# Altium PCB KVision_PCB_V1I1.PcbDoc (part 1 of 2)
Units mm, origin at the board's own origin, x right, y up, seen from the top; angles counter-clockwise.
Board outline 122 x 56 mm, 4 copper layers (Top Layer, VCC, GND, Bottom Layer), stack 1.58 mm thick; 96 components, 137 nets, 699 pads, 420 vias.
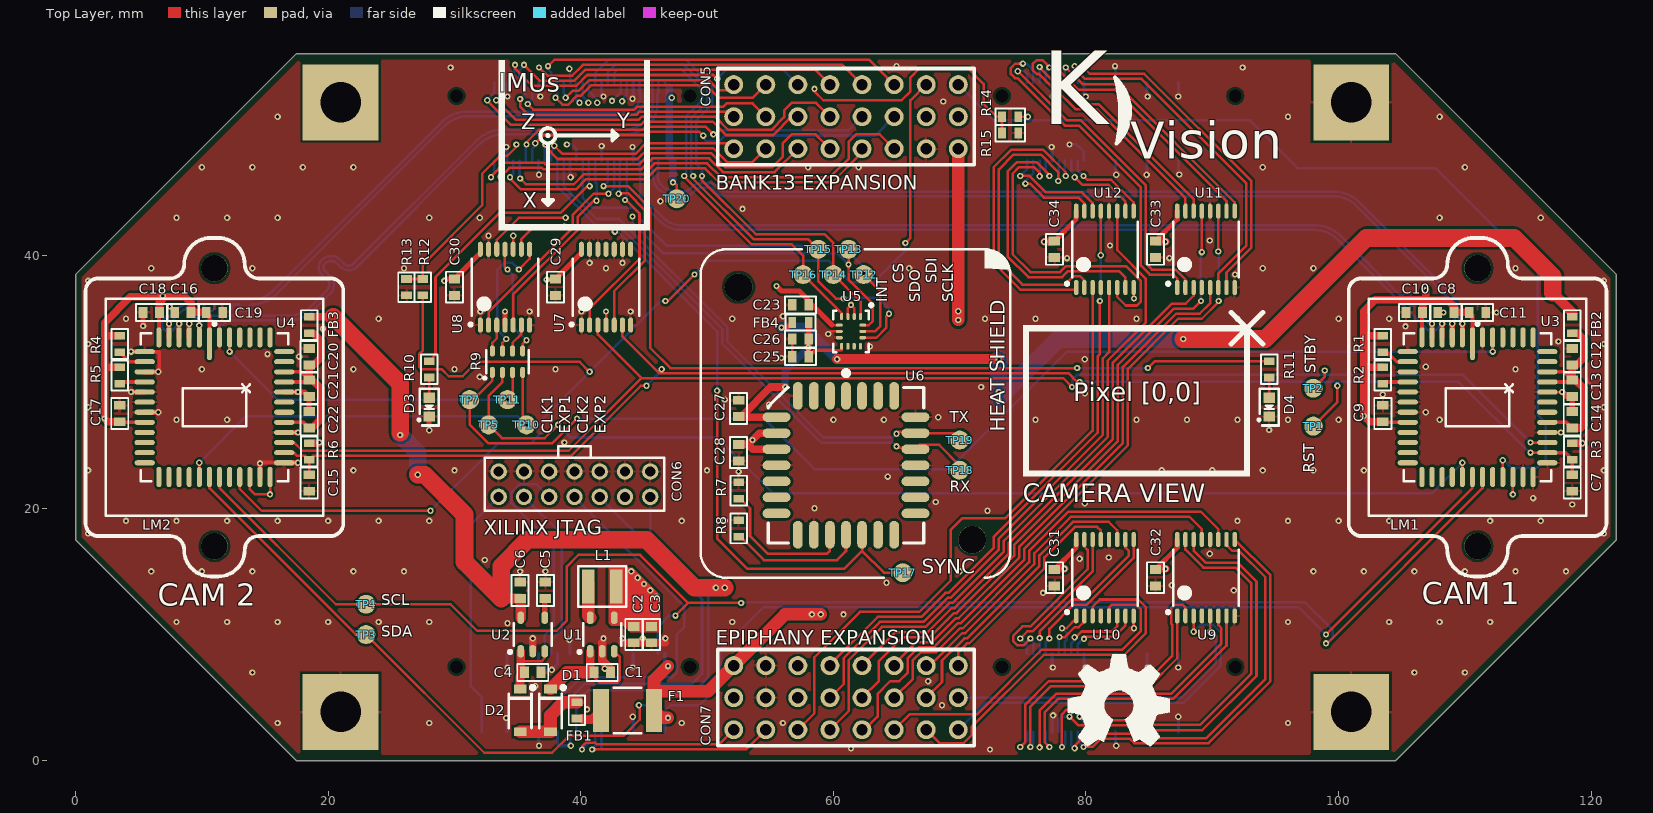
[diagram p0: Top Layer view]
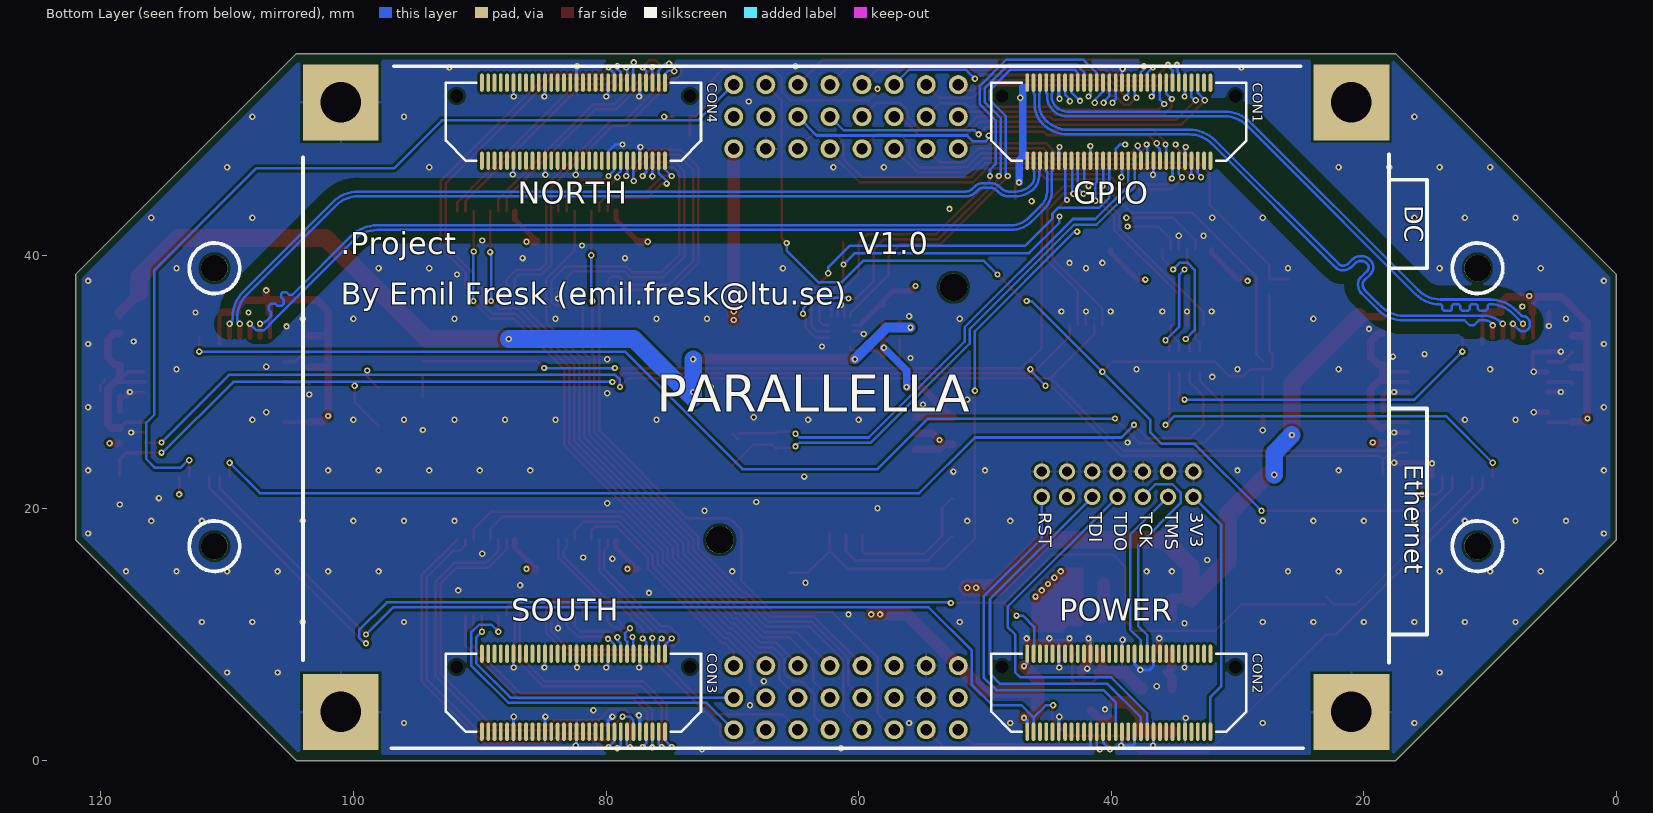
[diagram p1: Bottom Layer view, seen from below]
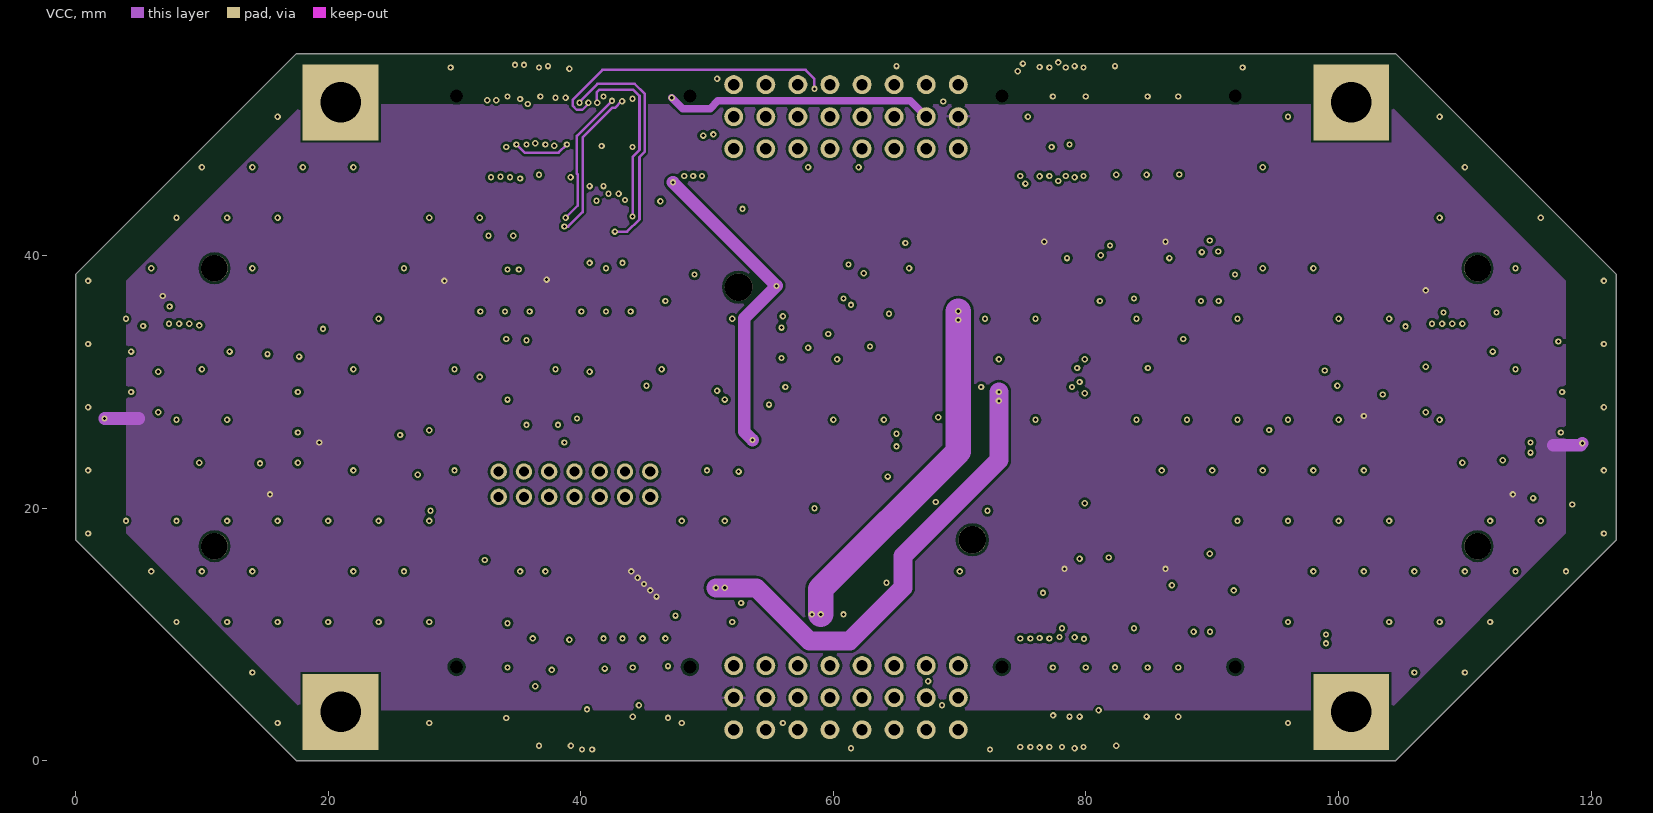
[diagram p2: VCC]
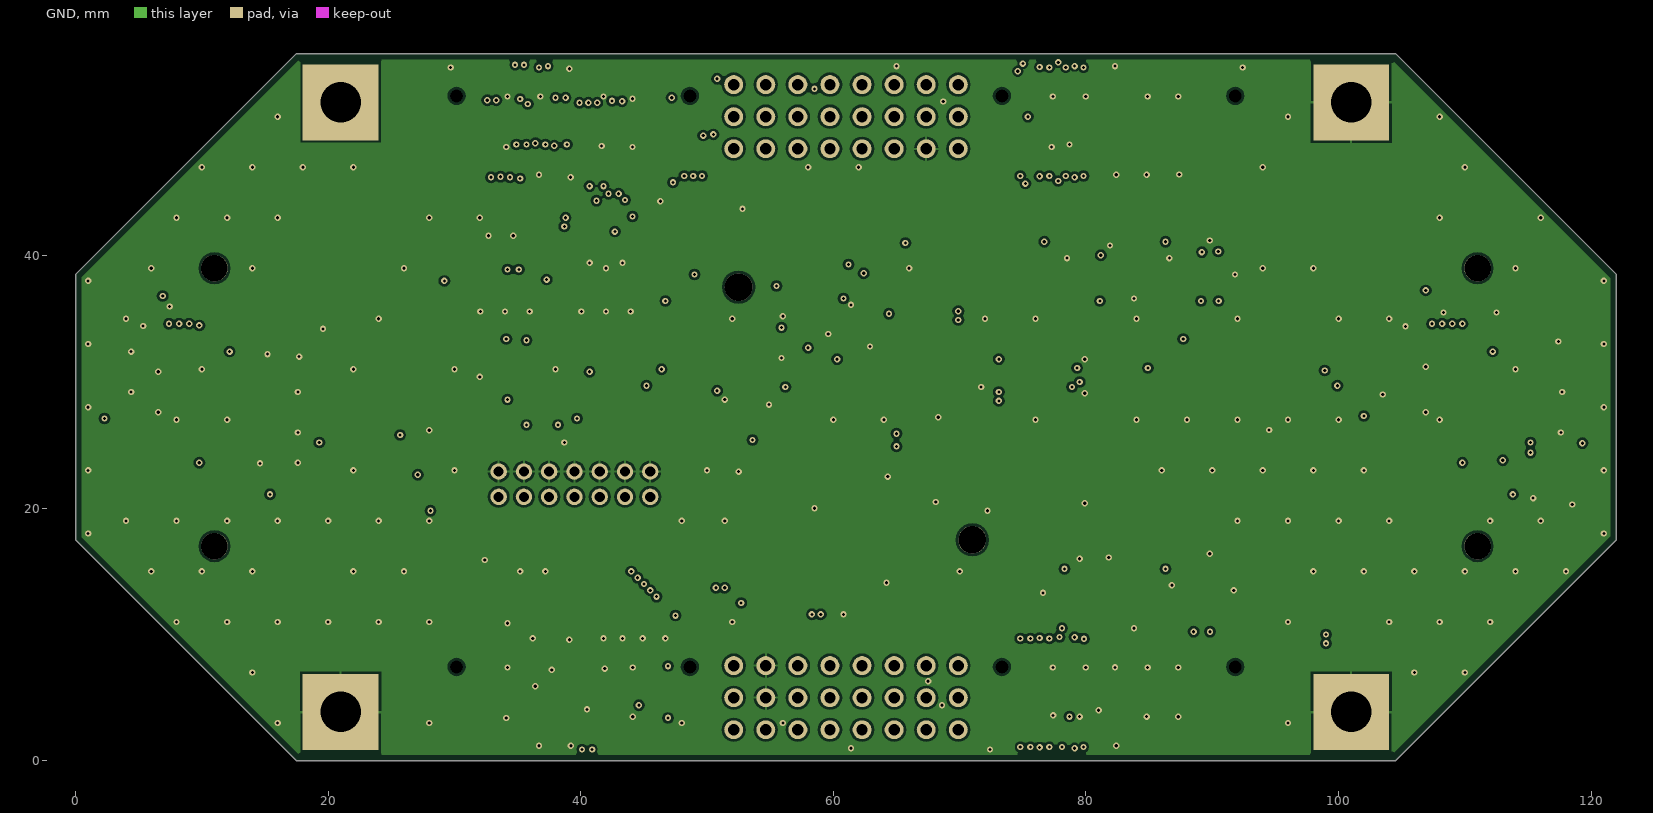
[diagram p3: GND]
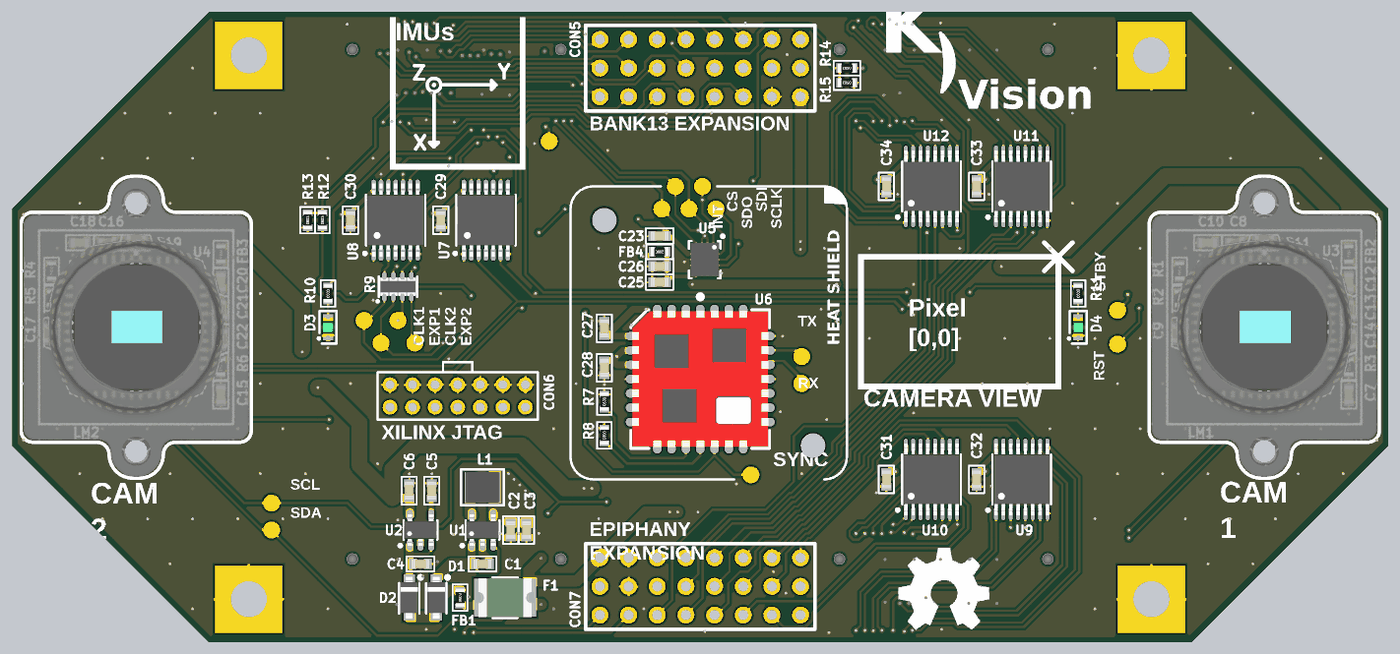
[diagram p5: 3D render of the assembled board from above, using the file's embedded part models]
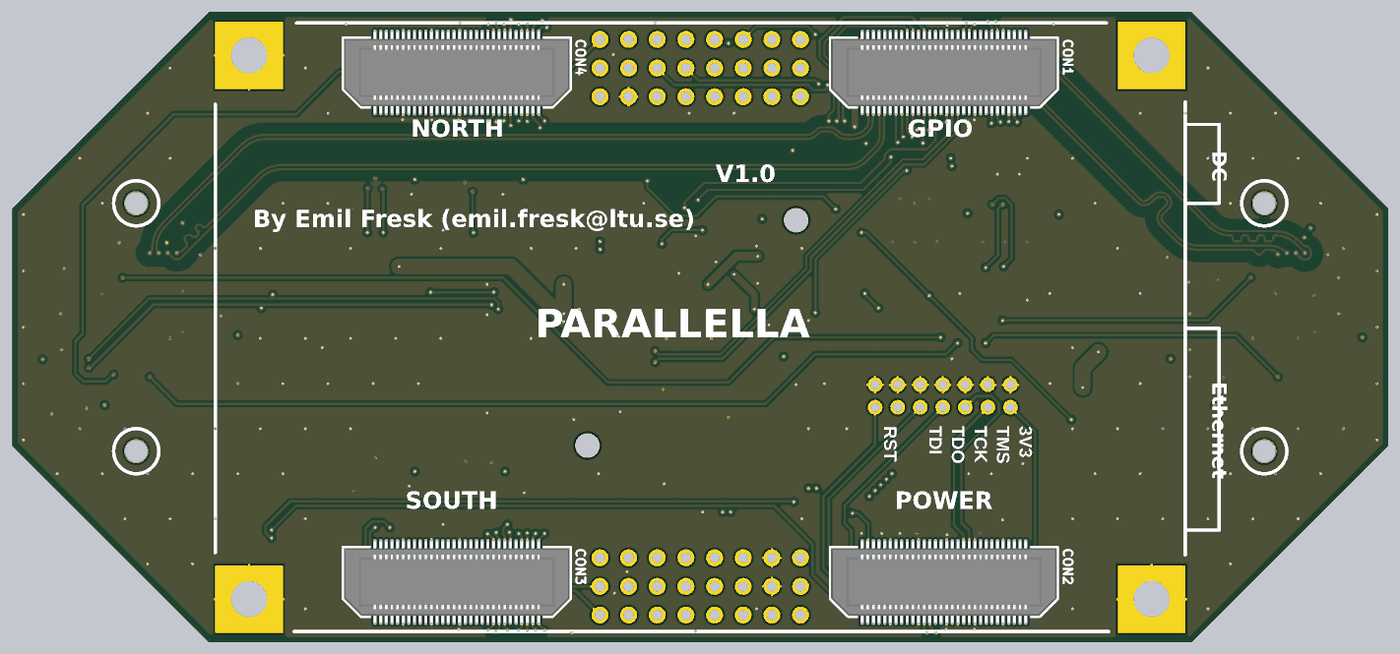
[diagram p6: 3D render of the assembled board from below, using the file's embedded part models]

## Layer stack, top to bottom
Top Solder: solder mask 0.0102, Solder Resist, Dk 3.5
Top Layer: signal copper 0.035
Dielectric 1: core 0.1702, FR408, Dk 3.66
VCC: signal copper 0.035
Dielectric 3: prepreg 1.1, FR408, Dk 3.66
GND: signal copper 0.035
Dielectric 2: core 0.1702, FR408, Dk 3.66
Bottom Layer: signal copper 0.035
Bottom Solder: solder mask 0.0102, Solder Resist, Dk 3.5

## Board outline
0,17.5 0,38.5 17.5,56 104.5,56 122,38.5 122,17.5 104.5,0 17.5,0

## Design rules (kind name [scope] priority, off if disabled: settings)
Clearance "Stitching GND" [IsStitchingVia and InNet('GND') vs (IsVia and (Not IsStitchingVia)) Or IsPad] p1: gap=0.2
Clearance Clearance_Diff [InNetClass('DIFF100') vs InNetClass('DIFF100')] p2: gap=0.15
Clearance Clearance_Diff_Plane [InNetClass('DIFF100') vs InNamedPolygon('GND')] p3: gap=1
Clearance [All] p4: gap=0.2
ComponentClearance [All] p1: gap=0.2 collisioncheckmode=3 verticalgap=0 showdistances=FALSE
DiffPairsRouting [All] p1: maxlimit=0.4 minlimit=0.15 mostfreqgap=0.17 toplayer_minwidth=0.15 toplayer_maxwidth=0.4 toplayer_prefwidth=0.2 midlayer1_minwidth=0.15 midlayer1_maxwidth=0.4 midlayer1_prefwidth=0.2 midlayer2_minwidth=0.15 midlayer2_maxwidth=0.4 midlayer2_prefwidth=0.2 bottomlayer_minwidth=0.15 bottomlayer_maxwidth=0.4 bottomlayer_prefwidth=0.2 maxuncoupledlength=12.7
HoleSize [All] p1: absolutevalues=TRUE maxlimit=10 minlimit=0.025 maxpercent=80.000 minpercent=20.000
HoleToHoleClearance [All] p1: gap=0.15 allowstackedmicrovias=TRUE
MinimumSolderMaskSliver [All] p1: minsoldermaskwidth=0.1
PolygonConnect "PolygonConnect GND" [IsVia] p1: connectstyle=Direct reliefconductorwidth=0.254 reliefentries=4 polygonreliefangle="90 Angle" airgapwidth=0.254
PolygonConnect "PolygonConnect 3V3" [InNet('+3V3') vs IsVia] p2: connectstyle=Direct reliefconductorwidth=0.254 reliefentries=4 polygonreliefangle="90 Angle" airgapwidth=0.254
PolygonConnect [All] p3: connectstyle=Relief reliefconductorwidth=0.2 reliefentries=4 polygonreliefangle="90 Angle" airgapwidth=0.2
RoutingVias [All] p1: holewidth=0.3 width=0.6 viastyle="Through Hole" minholewidth=0.2 minwidth=0.4 maxholewidth=10 maxwidth=10
SilkToSilkClearance [All] p1: silktosilkclearance=0
SilkToSolderMaskClearance [IsPad] p1: minsilkscreentomaskgap=0 clearancetoexposedcopper=TRUE
SolderMaskExpansion [All] p1: expansion=0.102
Width [All] p1: maxlimit=10 minlimit=0.2 preferedwidth=0.2
23 further rules are at their usual default settings.

## Classes and differential pairs
net class DIFF100: CAM1_CLK_N CAM1_CLK_P CAM1_DATA_N CAM1_DATA_P CAM2_CLK_N CAM2_CLK_P CAM2_DATA_N CAM2_DATA_P
differential pair CAM2_DATA: +CAM2_DATA_P -CAM2_DATA_N
differential pair CAM2_CLK: +CAM2_CLK_P -CAM2_CLK_N
differential pair CAM1_DATA: +CAM1_DATA_P -CAM1_DATA_N
differential pair CAM1_CLK: +CAM1_CLK_P -CAM1_CLK_N

## Components (designator, comment, footprint, x,y, rotation, side; value= is the part's Value field where it differs from the comment)
C1 "10uF" C0603L 41.7,7 r0 top
C2 "10uF" C0603L 44.2,10 r270 top
C3 "10uF" C0603L 45.6,10 r270 top
C4 "10uF" C0603L 36.2,7 r0 top
C5 "10nF" C0603L 37.2,13.5 r90 top
C6 "10uF" C0603L 35.2,13.5 r90 top
C7 "0.1uF" C0603L 118.5,22 r270 top
C8 "10uF" C0603L 108.5,35.5 r180 top
C9 "0.1uF" C0603L 103.5,27.5 r90 top
C10 "0.1uF" C0603L 106,35.5 r180 top
C11 "0.1uF" C0603L 111,35.5 r0 top
C12 "10uF" C0603L 118.5,32 r90 top
C13 "0.1uF" C0603L 118.5,29.5 r270 top
C14 "0.1uF" C0603L 118.5,27 r90 top
C15 "0.1uF" C0603L 18.5,22 r270 top
C16 "10uF" C0603L 8.5,35.5 r180 top
C17 "0.1uF" C0603L 3.5,27.5 r90 top
C18 "0.1uF" C0603L 6,35.5 r180 top
C19 "0.1uF" C0603L 11,35.5 r0 top
C20 "10uF" C0603L 18.5,32 r90 top
C21 "0.1uF" C0603L 18.5,29.5 r270 top
C22 "0.1uF" C0603L 18.5,27 r90 top
C23 "0.1uF" C0603L 57.4,36.1 r180 top
C25 "0.1uF" C0603L 57.4,32 r180 top
C26 "10uF" C0603L 57.4,33.4 r180 top
C27 "0.1uF" C0603L 52.5,27.9 r270 top
C28 "0.1uF" C0603L 52.5,24.4 r270 top
C29 "0.1uF" C0603L 38,37.5 r90 top
C30 "0.1uF" C0603L 30,37.5 r90 top
C31 "0.1uF" C0603L 77.5,14.5 r90 top
C32 "0.1uF" C0603L 85.5,14.5 r90 top
C33 "0.1uF" C0603L 85.5,40.5 r90 top
C34 "0.1uF" C0603L 77.5,40.5 r90 top
CON1 "BTH-030-01-F-D-A" BTH-030-01-X-D-A-K 39.4,50.605 r180 bottom locked
CON2 "BTH-030-01-F-D-A" BTH-030-01-X-D-A-K 39.4,5.395 r180 bottom locked
CON3 "BTH-030-01-F-D-A" BTH-030-01-X-D-A-K 82.58,5.395 r180 bottom locked
CON4 "BTH-030-01-F-D-A" BTH-030-01-X-D-A-K 82.58,50.605 r180 bottom locked
CON5 "8x3 HEADER" 8X3HEADER_2.54MM 61,51 r0 top locked
CON6 "Xilinx JTAG" "XILINX JTAG HEADER" 39.5,21.9 r0 top
CON7 "8x3 HEADER" 8X3HEADER_2.54MM 61,5 r180 top locked
D1 "B0530W-7-F" SOD123_DIODE 37.6,4 r270 top
D2 "B0530W-7-F" SOD123_DIODE 35.2,4 r270 top
D3 "GREEN" LED0603_GREEN 28,28 r90 top
D4 "GREEN" LED0603_GREEN 94.5,28 r90 top
F1 "PTC 0.5A" FUSE_1812 43.7,4 r180 top
FB1 "600Ohm @ 100MHz" R0603L 39.7,4 r90 top
FB2 "600Ohm @ 100MHz" R0603L 118.5,34.5 r270 top
FB3 "600Ohm @ 100MHz" R0603L 18.5,34.5 r270 top
FB4 "600Ohm @ 100MHz" R0603L 57.4,34.7 r0 top
L1 "4.7uH" L_SRN3015 41.7,13.8 r0 top
LM1 "CMT821" "CMT821 LENS HOLDER" 111,28 r0 top locked
LM2 "CMT821" "CMT821 LENS HOLDER" 11,28 r0 top locked
R1 "1k" R0603L 103.5,33 r90 top
R2 "1k" R0603L 103.5,30.5 r90 top
R3 "10k" R0603L 118.5,24.5 r270 top
R4 "1k" R0603L 3.5,33 r90 top
R5 "1k" R0603L 3.5,30.5 r90 top
R6 "10k" R0603L 18.5,24.5 r270 top
R7 "1k" R0603L 52.5,21.4 r90 top
R8 "1k" R0603L 52.5,18.4 r270 top
R9 "100R" CAC-80P319X159-8L 34.2,31.6 r90 top
R10 "1k" R0603L 28,31 r90 top
R11 "1k" R0603L 94.5,31 r90 top
R12 "1k" R0603L 27.5,37.5 r90 top
R13 "3.3k" R0603L 26.2,37.5 r90 top
R14 "1k" R0603L 74,51 r180 top
R15 "3.3k" R0603L 74,49.7 r180 top
TP1 "TestPoint" TestPoint_1.5mm 98,26.5 r0 top
TP2 "TestPoint" TestPoint_1.5mm 98,29.5 r90 top
TP3 "TestPoint" TestPoint_1.5mm 23,10 r90 top
TP4 "TestPoint" TestPoint_1.5mm 23,12.4 r90 top
TP5 "TestPoint" TestPoint_1.5mm 32.7,26.6 r90 top
TP7 "TestPoint" TestPoint_1.5mm 31.2,28.6 r90 top
TP10 "TestPoint" TestPoint_1.5mm 35.7,26.6 r90 top
TP11 "TestPoint" TestPoint_1.5mm 34.2,28.6 r90 top
TP12 "TestPoint" TestPoint_1.5mm 62.4,38.5 r0 top
TP13 "TestPoint" TestPoint_1.5mm 61.2,40.5 r0 top
TP14 "TestPoint" TestPoint_1.5mm 60,38.5 r0 top
TP15 "TestPoint" TestPoint_1.5mm 58.8,40.5 r0 top
TP16 "TestPoint" TestPoint_1.5mm 57.6,38.5 r0 top
TP17 "TestPoint" TestPoint_1.5mm 65.5,14.9 r90 top
TP18 "TestPoint" TestPoint_1.5mm 70,23 r90 top
TP19 "TestPoint" TestPoint_1.5mm 70,25.4 r90 top
TP20 "TestPoint" TestPoint_1.5mm 47.6,44.5 r90 top
U1 "MCP1603T-330I/OS" SOT23-5N 41.7,10 r90 top
U2 "LP2992AIM5-3.3/NOPB" SOT23-5N 36.2,10 r90 top
U3 "MT9V034C12STM" LCC-48N_MT9V03X 111,28 r0 top
U4 "MT9V034C12STM" LCC-48N_MT9V03X 11,28 r0 top
U5 "LSM6DS3" LGA14-N 61.4,34 r270 top
U6 "MTi-2" MTi-1 61,23.4 r0 top
U7 "SN74LV4T125PWR" TSSOP14N 42,37.5 r90 top
U8 "SN74LV4T125PWR" TSSOP14N 34,37.5 r90 top
U9 "DS90LV032A" TSSOP16N 89.5,14.5 r90 top
U10 "DS90LV032A" TSSOP16N 81.5,14.5 r90 top
U11 "DS90LV032A" TSSOP16N 89.5,40.5 r90 top
U12 "DS90LV032A" TSSOP16N 81.5,40.5 r90 top
